# Altium PCB higgs.PcbDoc (part 6 of 25) (continued)
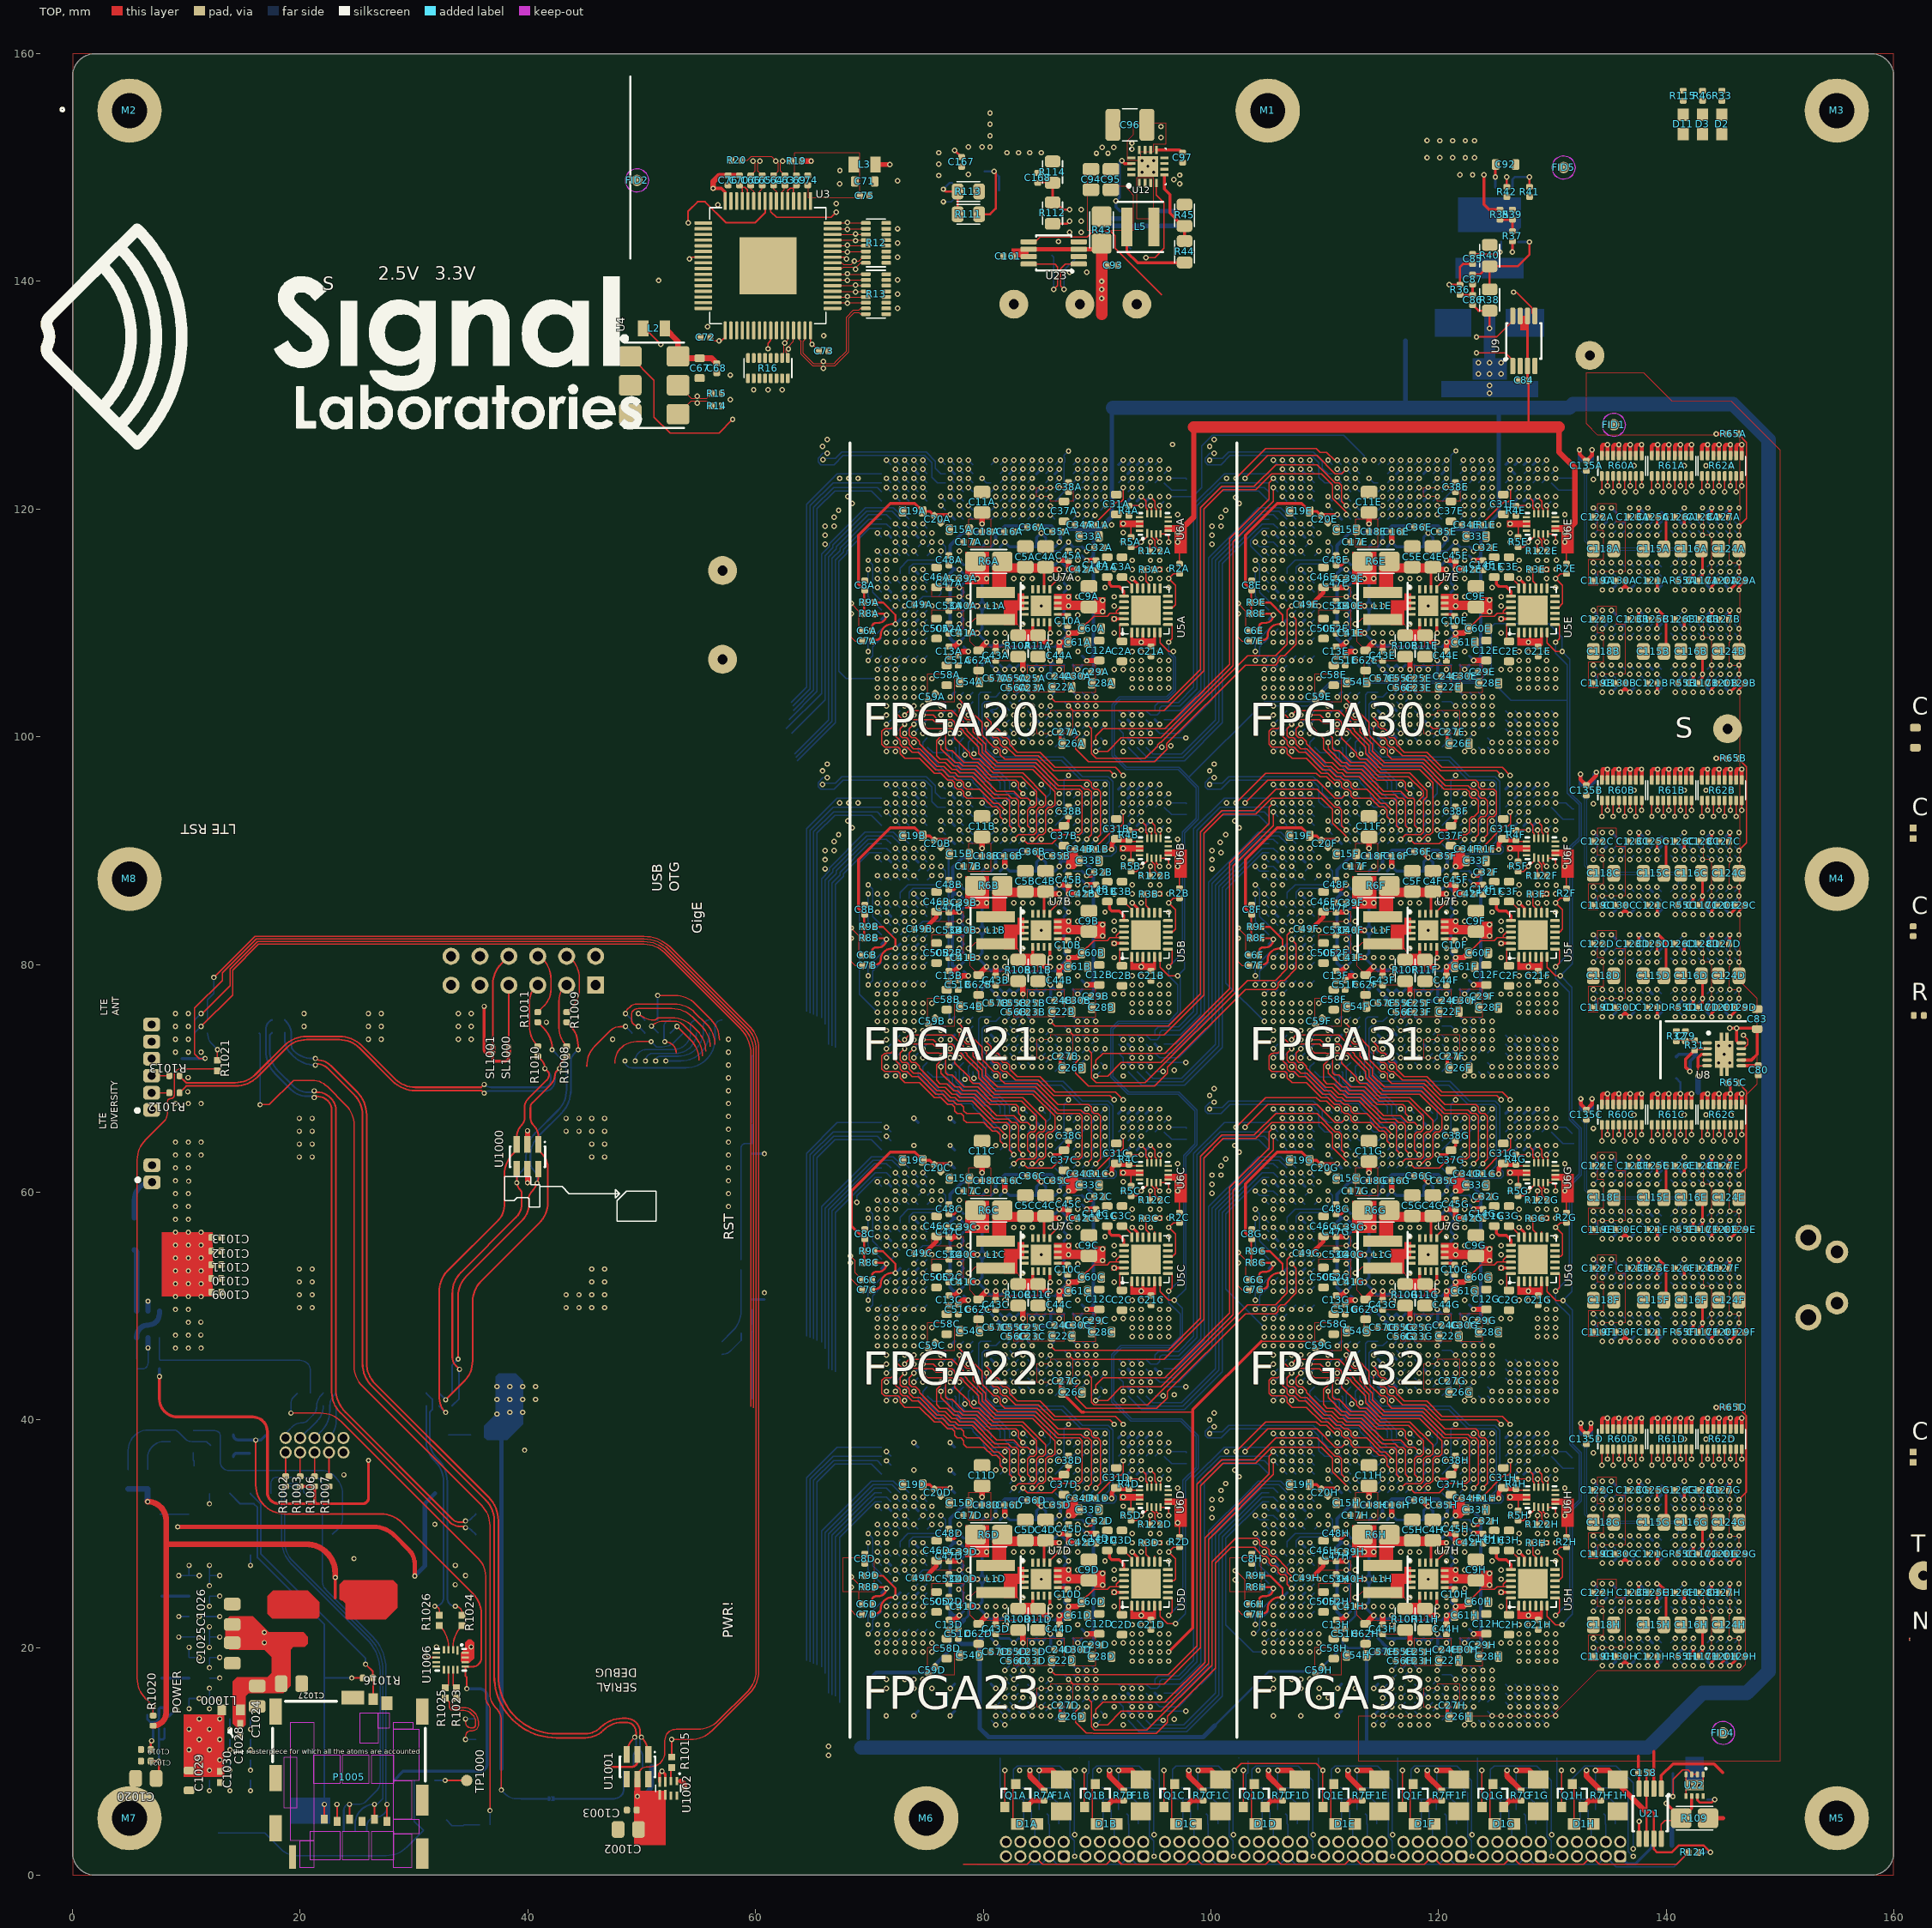
[diagram p0: TOP view]
## Part data (continued)
R109: library part CSR1206-0R001F1, "Current Sense Resistor 10mOhm +/-1% SMD 1206", Manufacturer=Riedon, Package=1206, Manufacturer P/N=CSR1206-0R01F1
R110: "Current Sense Resistor 1mOhm +/-1% SMD 1206", Manufacturer=Riedon, Package=1206, Manufacturer P/N=CSR1206-0R001F1
R111 R112: library part RES, "Thin Film Resistor 34k ±0.1% 0.125W 100V 0805", Manufacturer=Panasonic, Package=0805, Power=0.125, Tolerance=±0.1%, Voltage=100, Manufacturer P/N=ERA-6AEB3402V, Tcr=±25, Tr=-55:155
R113 R114: library part RES, "Thin Film Resistor 16k ±0.1% 0.125W 100V 0805", Manufacturer=Panasonic, Package=0805, Power=0.125, Tolerance=±0.1%, Voltage=100, Manufacturer P/N=ERA-6AEB163V, Tcr=±25, Tr=-55:155
R123A R123B R123C R123D R123E R123F R123G R123H R124A R124B R124C R124D R124E R124F R124G R124H: library part RES, "Thick Film Resistor 1M ±1% 0.1W 75V 0402", Manufacturer=Panasonic, Package=0402, Power=0.1, Tolerance=±1%, Voltage=75, Manufacturer P/N=ERJ-2RKF1004X, Tcr=±100, Tr=-55:155
R1000 R1001 R1016 R1022 R1028: library part RES, "Thick Film Resistor 47k ±1% 0.1W 75V 0402", Manufacturer=Panasonic, Package=0402, Power=0.1, Tolerance=±1%, Voltage=75, Manufacturer P/N=ERJ-2RKF4702X, Tcr=±100, Tr=-55:155
  R1016: Do Not Place=DNP
R1002 R1003 R1006 R1007: library part RES, "Thick Film Resistor 1k ±1% 0.1W 0402", Manufacturer=Panasonic, Package=0402, Power=0.1, Tolerance=±1%, Voltage=75, Manufacturer P/N=ERJ-2RKF1001X, Tcr=±100, Tr=-55:155
R1004 R1005 R1015 R1021 R1023 R1024 R1025 R1026: library part "RES 0402", "Thick Film Resistor 20 ±1% 0402", Manufacturer=Panasonic, Manufacturer P/N=RC0402FR-0720L, Package=0402, Tolerance=±1%, Tr=-55:155
  R1021: Do Not Place=DNP
R1017 R1018: library part RES, "Thick Film Resistor 10k ±1% 0.1W 0402", Manufacturer=Panasonic, Package=0402, Power=0.1, Tolerance=±1%, Voltage=50, Manufacturer P/N=ERJ-2RKF1002X, Tcr=±100, Tr=-55:155
R1027: library part RES, "Thick Film Resistor 10k ±1% 0.1W 0402", Manufacturer=Panasonic, Package=0402, Power=0.1, Tolerance=±1%, Voltage=75, Manufacturer P/N=ERJ-2RKF1002X, Tcr=±100, Tr=-55:155
R?: library part RES, "Thick Film Resistor 14.3k ±1% 0.1W 75V 0402", Manufacturer=Panasonic, Package=0402, Power=0.1, Tolerance=±1%, Voltage=75, Manufacturer P/N=ERJ-2RKF1432X, Tcr=±100, Tr=-55:155
S1: "Tactile Switch; Normally Open", Manufacturer=Panasonic, Manufacturer P/N=EVQ-PF006K
S1000 S1001 S1002: "Switch Tactile N.O. SPST Round Button Gull Wing 0.05A 32VDC 1VA 200000Cycles 2N SMD Automotive T/R", Manufacturer="C&K Components", Package=None, Availability=Good, Manufacturer P/N=KMR421GULCLFS, Price="0.29 USD"
  S1000 S1001: Do Not Place=DNP
SL1000 SL1001: library part RES, "Solder Link Unbridged"
SL1002: library part RES, "Solder Link Bridged"
T1 T2 T3 T4 T5 T6 T7 T8 T9 T10: "RF Transformer 10-6000KHz", Manufacturer=Mini-Circuits, Manufacturer P/N=TC1-1-13M
TP10 TP11 TP12 TP14 TP15 TP16 TP17 TP18 TP19: library part TEST_POINT, "Thruhole Miniature Test Point", Manufacturer="Keystone Electronics Corp", Manufacturer P/N=5000
  TP10 TP11 TP12 TP14 TP15 TP16: Do Not Place=DNP
TP1000: "Test Point SMD"
U1A U1B U1C U1D U1E U1F U1G U1H: "ECP5 FPGA, 85k LUT, 756-caBGA", Manufacturer="Lattice Semiconductor", Manufacturer P/N=LFE5U_-85F-_BG756_
U2A U2B: "2.4 GHz, 33dB Power Amplifier"
U3: "2:20 LVPECL Clock Distribution Driver", Manufacturer=Microchip, Manufacturer P/N=SY89467UHY
U4: library part "EG-2121CA 100.0000M-PHPAB", "Oscillator 100MHz LPECL 3.3V 25ppm SMD", Manufacturer=IDT, Manufacturer P/N=XUP736125.000JU6I
U5A U5B U5C U5D U5E U5F U5G U5H: "Digital Power-Supply Controller/Monitor", Manufacturer="Maxim Integrated", Manufacturer P/N=MAX8688AHETG+
U6A U6B U6C U6D U6E U6F U6G U6H U1006: "4-Bit Dual-Supply Bus Transceiver", Manufacturer="Texas Instruments", Manufacturer P/N=SN74AVC4T774RSVR
U7A U7B U7C U7D U7E U7F U7G U7H U12 U24: "3-17V 3A Step-Down Converter VQFN", Manufacturer="Texas Instruments", Manufacturer P/N=TPS62130RGT
U8: library part TPS51200, "DDR Termination Regulator, 3A Sink and Source", Manufacturer="Texas Instruments", Manufacturer P/N=TPS51200DRC
U9 U23: library part INA283AIDGK, "Bidirectional Current Shunt Monitor", Manufacturer="Texas Instruments", Manufacturer P/N=INA284AIDGK
U10: library part TPS53319DQPR, "Synchronous Buck Converter 20A", Manufacturer="Texas Instruments", Manufacturer P/N=TPS53353DQP
U11 U21: "Bidirectional Current Shunt Monitor", Manufacturer="Texas Instruments", Manufacturer P/N=INA283AIDGK
U13A U13B: "5 GHz, 26dBm Power Amplifier"
U14A U14B U14C U14D U14E U14F U14G U14H: library part MT41K256M16HA, "DDR3L SDRAM 4Gb (32Megx16bitx8banks)", Manufacturer="Micron Technology", Manufacturer P/N=MT41K256M16TW-107:P
U15: library part TPS3808, "Low Quiescent Current, Programmable-Delay  Supervisory Circuit", Manufacturer="Texas Instruments", Manufacturer P/N=TPS3808G01DBVR
U16A U16B U1002 U1004: "High-Side Load Switch", Manufacturer=Silego, Package="WFDFN-8 Silego", Manufacturer P/N=SLG59M611V
U17A U17B: "RF Amp Chip Single GP 2.4GHz 6V 16-Pin QFN EP T/R", Manufacturer="NXP Semiconductors", Package="QFN-16 NXP Semiconductors", Manufacturer P/N=MMG3006NT1
U18: library part AD9361, "RF Agile Transceiver"
U19 U20: "0.01 MHz-6.0 GHz RF SPDT Switch", Manufacturer=Skyworks, Manufacturer P/N=SKY13453-385LF
U22: "1A Step-Down Converter, 5V", Manufacturer="Texas Instruments", Manufacturer P/N=TPS62163DSG
U27A U27B U27C U27D U27E U27F U27G U27H: "Dual Schmitt-Trigger Buffer", Manufacturer="Texas Instruments", Manufacturer P/N=SN74LVC2G17DCK
U1000 U1001: "4-Lane TVS Diode Array", Manufacturer="On Semiconductor", Manufacturer P/N=NUP4301MR6
U1003: library part ARTIK_LGA_PAD_10, "ARTIK 710 System on Module", Manufacturer=Samsung, Manufacturer P/N="Artik 710"
U1005: Manufacturer=Telit, Manufacturer P/N=LE910NAG703T701

## Via types
v1: diameter 0.483, hole 0.254, TOP to BOT, tented both sides, 5146 vias
v2: diameter 0.457, hole 0.254, TOP to BOT, tented both sides, 278 vias
v3: diameter 0.5, hole 0.25, TOP to BOT, 50 vias
v4: diameter 0.483/0/0/0/0.483/0/0/0.483 (per signal layer), hole 0.254, TOP to BOT, tented both sides, 7 vias
v5: diameter 0.483, hole 0.254, TOP to BOT, tented bottom, 5 vias
v6: diameter 0.483, hole 0.254, TOP to BOT, 1 vias

## Nets (pads, with @x,y where several pads share a name; then routed paths per layer and width w, separated by ;. In a path a pad name is that pad's centre, name@x,y a point inside that pad or via, vN(x,y) a via of type N, cw(c..) or ccw(c..) an arc to the next point about the centre after c; other vN are vias at no path point)
5G_2G_SW: U19.5 U20.5
ANT_DIV: P1007.1 U1005.F1 | length 2.4
  BOT w0.254: P1007.1@7.829,24.519 U1005.F1@10.229,24.519
ANTENNA: P1008.1 U1005.K1 | length 2.4
  BOT w0.254: P1008.1@7.829,17.319 U1005.K1@10.229,17.319
BT_PCM_CLK: U1003.PAL43
BT_PCM_DIN: U1003.PAK43
BT_PCM_DOUT: U1003.PAJ42
BT_PCM_LRCLK: U1003.PAJ43
CFG.CFG_0A: U1A.AM4
CFG.CFG_0B: U1B.AM4
CFG.CFG_0C: U1C.AM4
CFG.CFG_0D: U1D.AM4
CFG.CFG_0E: U1E.AM4
CFG.CFG_0F: U1F.AM4
CFG.CFG_0G: U1G.AM4
CFG.CFG_0H: U1H.AM4
CFG.CFG_1A: U1A.AL4
CFG.CFG_1B: U1B.AL4
CFG.CFG_1C: U1C.AL4
CFG.CFG_1D: U1D.AL4
CFG.CFG_1E: U1E.AL4
CFG.CFG_1F: U1F.AL4
CFG.CFG_1G: U1G.AL4
CFG.CFG_1H: U1H.AL4
CFG.CFG_2A: U1A.AK4
CFG.CFG_2B: U1B.AK4
CFG.CFG_2C: U1C.AK4
CFG.CFG_2D: U1D.AK4
CFG.CFG_2E: U1E.AK4
CFG.CFG_2F: U1F.AK4
CFG.CFG_2G: U1G.AK4
CFG.CFG_2H: U1H.AK4
CFG.D0/MOSI/IO0A: U1A.AK2 | length 0.6
  BOT w0.102: U1A.AK2@94.3,123.1 v1(94.7,123.5)
CFG.D0/MOSI/IO0B: U1B.AK2 | length 0.6
  BOT w0.102: U1B.AK2@94.3,94.6 v1(94.7,95)
CFG.D0/MOSI/IO0C: U1C.AK2 | length 0.6
  BOT w0.102: U1C.AK2@94.3,66.1 v1(94.7,66.5)
CFG.D0/MOSI/IO0D: U1D.AK2 | length 0.6
  BOT w0.102: U1D.AK2@94.3,37.6 v1(94.7,38)
CFG.D0/MOSI/IO0E: U1E.AK2 | length 0.6
  BOT w0.102: U1E.AK2@128.3,123.1 v1(128.7,123.5)
CFG.D0/MOSI/IO0F: U1F.AK2 | length 0.6
  BOT w0.102: U1F.AK2@128.3,94.6 v1(128.7,95)
CFG.D0/MOSI/IO0G: U1G.AK2 | length 0.6
  BOT w0.102: U1G.AK2@128.3,66.1 v1(128.7,66.5)
CFG.D0/MOSI/IO0H: U1H.AK2 | length 0.6
  BOT w0.102: U1H.AK2@128.3,37.6 v1(128.7,38)
CFG.D1/MISO/IO1A: U1A.AJ2 | length 0.6
  BOT w0.102: U1A.AJ2@93.5,123.1 v1(93.9,123.5)
CFG.D1/MISO/IO1B: U1B.AJ2 | length 0.6
  BOT w0.102: U1B.AJ2@93.5,94.6 v1(93.9,95)
CFG.D1/MISO/IO1C: U1C.AJ2 | length 0.6
  BOT w0.102: U1C.AJ2@93.5,66.1 v1(93.9,66.5)
CFG.D1/MISO/IO1D: U1D.AJ2 | length 0.6
  BOT w0.102: U1D.AJ2@93.5,37.6 v1(93.9,38)
CFG.D1/MISO/IO1E: U1E.AJ2 | length 0.6
  BOT w0.102: U1E.AJ2@127.5,123.1 v1(127.9,123.5)
CFG.D1/MISO/IO1F: U1F.AJ2 | length 0.6
  BOT w0.102: U1F.AJ2@127.5,94.6 v1(127.9,95)
CFG.D1/MISO/IO1G: U1G.AJ2 | length 0.6
  BOT w0.102: U1G.AJ2@127.5,66.1 v1(127.9,66.5)
CFG.D1/MISO/IO1H: U1H.AJ2 | length 0.6
  BOT w0.102: U1H.AJ2@127.5,37.6 v1(127.9,38)
CFG.DIN/CSSA_N: U1A.AJ3 | length 28.4
  S6(H) w0.102: v1(93.9,122.7) 93.5,122.3 93.5,121.736 93.735,121.501 95.7,121.501 96.5,122.301 97.176,122.301 97.575,122.7 97.575,125.633 100.442,128.5 112.892,128.5 114.7,130.308
  BOT w0.102: U1A.AJ3@93.5,122.3 v1(93.9,122.7)
CFG.DIN/CSSB_N: U1B.AJ3 | length 41.5
  S4(VDDR) w0.102: 93.391,127.9 93.391,127.243 97.691,122.943 97.691,115.504 98.225,114.969 98.225,96.664 96.96,95.399 94.535,95.399 94.301,95.165 94.301,94.601 v1(93.9,94.2) ; 93.394,127.9 93.394,129.933
  BOT w0.102: U1B.AJ3@93.5,93.8 v1(93.9,94.2)
CFG.DIN/CSSC_N: U1C.AJ3 | length 70.4
  S4(VDDR) w0.102: v1(93.9,65.7) 94.301,66.101 94.301,66.665 94.535,66.899 94.864,66.899 95.101,67.137 95.101,67.465 95.335,67.699 96.469,67.699 98.58,69.811 98.58,93.388 100.89,95.698 100.89,97.844 100.858,97.876 100.858,113.953 98.834,115.977 98.834,126.761 97.45,128.144 97.45,130.316
  BOT w0.102: U1C.AJ3@93.5,65.3 v1(93.9,65.7)
CFG.DIN/CSSD_N: U1D.AJ3 | length 101.1
  S4(VDDR) w0.102: v1(93.9,37.2) 94.301,37.601 94.301,38.165 94.536,38.401 95.665,38.401 95.764,38.5 97.225,38.5 101.825,43.1 101.825,63.15 100.975,64 100.975,89.333 101.306,89.664 101.306,90.83 100.901,91.235 100.901,94.265 102.51,95.874 102.51,109.857 101.81,110.556 101.81,119.954 100.944,120.82 100.944,129.456 99.901,130.499
  BOT w0.102: U1D.AJ3@93.5,36.8 v1(93.9,37.2)
CFG.DIN/CSSE_N: U1E.AJ3 | length 20
  S3(V12/V2V5) w0.102: 111.955,130.245 113.475,128.725 119.95,128.725 123.775,124.9 ; 123.764,124.889 124.182,124.471 124.182,124.154 124.435,123.901 124.864,123.901 125.099,123.665 125.099,123.337 125.335,123.101 125.664,123.101 125.682,123.082 126.497,123.082 126.514,123.099 127.265,123.099 127.664,122.7 v1(127.9,122.7)
  BOT w0.102: U1E.AJ3@127.5,122.3 v1(127.9,122.7)
CFG.DIN/CSSF_N: U1F.AJ3 | length 55.5
  S4(VDDR) w0.102: 117.654,136.458 124.741,136.458 129.225,131.974 129.225,127.397 129.291,127.331 129.291,125.073 129.901,124.464 129.901,119.133 130.544,118.49 131.344,118.49 131.69,118.144 131.69,116.11 131.676,116.096 131.676,98.276 129.76,96.36 128.695,96.36 128.301,95.965 128.301,94.601 v1(127.9,94.2)
  BOT w0.102: U1F.AJ3@127.5,93.8 v1(127.9,94.2)
CFG.DIN/CSSG_N: U1G.AJ3 | length 94.3
  S4(VDDR) w0.102: 118.12,144.22 129.43,144.22 130.178,143.472 130.178,127.792 130.244,127.726 130.244,125.468 131.461,124.25 131.461,120.781 132.071,120.171 132.071,119.11 132.642,118.539 132.642,115.715 132.629,115.702 132.629,97.795 132.052,97.218 132.052,69.813 130.148,67.91 130.129,67.91 130.139,67.9 129.536,67.9 129.101,67.465 129.101,67.137 128.864,66.899 128.535,66.899 128.301,66.665 128.301,66.101 v1(127.9,65.7)
  BOT w0.102: U1G.AJ3@127.5,65.3 v1(127.9,65.7)
CFG.DIN/CSSH_N: U1H.AJ3 | length 131.8
  S4(VDDR) w0.102: 117.499,149.499 118.698,148.3 126.785,148.3 131.15,143.935 131.15,128.166 133.925,125.391 133.925,123.65 133.2,122.925 133.2,119.935 133.71,119.425 134.308,119.425 134.834,118.899 135.365,118.899 135.599,118.666 135.599,117.535 134.8,116.736 134.8,97.764 135.249,97.315 135.249,94.514 133.951,93.215 133.951,92.613 134.8,91.764 134.8,74.3 134,73.5 ; v1(127.9,37.2) 128.301,37.601 128.301,38.165 128.536,38.4 130.65,38.4 132.101,39.851 132.101,39.865 132.335,40.099 132.349,40.099 132.75,40.5 132.75,65.625 133.975,66.85 133.975,73.475
  BOT w0.102: U1H.AJ3@127.5,36.8 v1(127.9,37.2)
CFG.DONEA: U1A.AJ4 | length 25.6
  S6(H) w0.102: v1(93.9,121.9) 94.8,121.9 95.101,122.201 95.101,122.865 95.335,123.099 96.749,123.099 97.175,123.525 97.175,125.799 100.276,128.9 112.726,128.9 113.226,129.399 113.226,130.261
  BOT w0.102: U1A.AJ4@93.5,121.5 v1(93.9,121.9)
CFG.DONEB: U1B.AJ4 | length 42
  S4(VDDR) w0.102: 93.585,129.854 93.585,127.319 97.881,123.022 97.881,115.583 98.416,115.048 98.416,96.585 96.699,94.869 96.699,94.835 96.465,94.601 96.431,94.601 96.431,94.6 95.336,94.6 95.101,94.365 95.101,93.901 94.6,93.4 v1(93.9,93.4)
  BOT w0.102: U1B.AJ4@93.5,93 v1(93.9,93.4)
CFG.DONEC: U1C.AJ4 | length 71.1
  S4(VDDR) w0.102: v1(93.9,64.9) 94.5,64.9 95.101,65.501 95.101,66.665 95.336,66.9 95.939,66.9 98.771,69.732 98.771,93.309 101.08,95.619 101.08,97.923 101.048,97.955 101.048,114.032 99.024,116.056 99.024,126.88 97.66,128.245 97.66,130.376
  BOT w0.102: U1C.AJ4@93.5,64.5 v1(93.9,64.9)
CFG.DONED: U1D.AJ4 | length 102.9
  S4(VDDR) w0.102: v1(93.9,36.4) 94.6,36.4 95.101,36.901 95.101,37.365 95.335,37.599 96.465,37.599 96.674,37.391 99.766,37.391 102.8,40.425 102.8,62.575 101.7,63.675 101.7,64.265 101.8,64.365 101.8,92.335 101.7,92.435 101.7,92.765 101.799,92.864 101.799,94.364 102.7,95.264 102.7,109.936 102.001,110.635 102.001,120.634 101.7,120.935 101.7,121.265 101.8,121.365 101.8,123.225 101.135,123.891 101.135,124.229 101.15,124.244 101.15,130.086
  BOT w0.102: U1D.AJ4@93.5,36 v1(93.9,36.4)
CFG.DONEE: U1E.AJ4 | length 21.3
  S3(V12/V2V5) w0.102: 111.101,130.224 112.825,128.5 117.575,128.5 121.368,124.707 121.368,124.557 122.019,123.905 123.259,123.905 123.499,123.665 123.499,123.336 123.736,123.099 124.065,123.099 124.301,122.864 124.301,122.535 124.536,122.299 124.865,122.299 124.883,122.282 126.908,122.282 126.925,122.299 127.501,122.299 v1(127.9,121.9)
  BOT w0.102: U1E.AJ4@127.5,121.5 v1(127.9,121.9)
CFG.DONEF: U1F.AJ4 | length 56.4
  S4(VDDR) w0.102: 117.575,136.649 124.82,136.649 129.416,132.053 129.416,127.476 129.482,127.41 129.482,125.152 130.699,123.935 130.699,119.201 130.9,119 131.103,119 131.88,118.223 131.88,116.031 131.867,116.017 131.867,98.167 130.71,97.01 130.71,96.185 129.899,95.374 129.899,94.835 129.665,94.601 129.336,94.601 129.101,94.365 129.101,93.801 128.7,93.4 v1(127.9,93.4)
  BOT w0.102: U1F.AJ4@127.5,93 v1(127.9,93.4)
CFG.DONEG: U1G.AJ4 | length 95.9
  S4(VDDR) w0.102: 118.29,144.41 129.509,144.41 130.368,143.551 130.368,127.871 130.434,127.804 130.434,125.546 131.652,124.329 131.652,120.86 132.261,120.25 132.261,119.189 132.833,118.618 132.833,115.636 132.819,115.623 132.819,96.92 132.874,96.865 132.874,96.535 132.242,95.903 132.242,69.734 130.939,68.431 130.939,66.574 130.464,66.099 129.335,66.099 129.101,65.865 129.101,65.303 128.7,64.902 127.902,64.902 v1(127.9,64.9)
  BOT w0.102: U1G.AJ4@127.5,64.5 v1(127.9,64.9)
CFG.DONEH: U1H.AJ4 | length 135.8
  S4(VDDR) w0.102: 117.931,150.299 119.731,148.5 126.868,148.5 131.35,144.018 131.35,128.236 134.125,125.461 134.125,122.419 133.585,121.879 133.585,120.791 134,120.375 134,119.935 134.234,119.701 134.724,119.701 135.335,119.09 135.974,119.09 136.399,118.666 136.399,117.535 135.599,116.735 135.599,107.674 ; v1(127.9,36.4) 128.8,36.4 129.101,36.701 129.101,37.365 129.335,37.599 131.724,37.599 132.975,38.85 132.975,65.581 134.225,66.831 134.225,73.3 135.6,74.675 135.6,90.966 137.236,92.601 137.515,92.601 138.45,93.536 138.45,94 137.549,94.901 137.035,94.901 135.451,96.485 135.451,97.489 135.6,97.639 135.6,106.49 135.625,106.514 135.625,107.675
  BOT w0.102: U1H.AJ4@127.5,36 v1(127.9,36.4)
CFG.DOUTA: U1A.AK3 | length 0.6
  BOT w0.102: U1A.AK3@94.3,122.3 v1(94.7,122.7)
CFG.DOUTB: U1B.AK3 | length 0.6
  BOT w0.102: U1B.AK3@94.3,93.8 v1(94.7,94.2)
CFG.DOUTC: U1C.AK3 | length 0.6
  BOT w0.102: U1C.AK3@94.3,65.3 v1(94.7,65.7)
CFG.DOUTD: U1D.AK3 | length 0.6
  BOT w0.102: U1D.AK3@94.3,36.8 v1(94.7,37.2)
CFG.DOUTE: U1E.AK3 | length 0.6
  BOT w0.102: U1E.AK3@128.3,122.3 v1(128.7,122.7)
CFG.DOUTF: U1F.AK3 | length 0.6
  S4(VDDR) w0.102: v1(128.7,94.2) v1@128.725,94.2
  BOT w0.102: U1F.AK3@128.3,93.8 v1(128.7,94.2)
CFG.DOUTG: U1G.AK3 | length 0.6
  BOT w0.102: U1G.AK3@128.3,65.3 v1(128.7,65.7)
CFG.DOUTH: U1H.AK3 | length 0.6
  BOT w0.102: U1H.AK3@128.3,36.8 v1(128.7,37.2)
CFG.INITNA: R1A.1 U1A.AG4 | length 37.4
  TOP w0.102: R1A.1@89.755,118.655 91.75,120.65 92.125,120.65 92.323,120.848 v1@92.323,121.877
  S4(VDDR) w0.102: v1(92.3,121.9) v1(92.3,121.9)
  S6(H) w0.102: v1(92.3,121.9) 92.3,120.8 93.199,119.901 95.5,119.901 96.465,119.901 96.699,120.135 96.699,120.966 99.501,123.768 99.501,125.865 100.135,126.499 112.927,126.499 117.005,130.577
  BOT w0.102: U1A.AG4@91.9,121.5 v1(92.3,121.9)
CFG.INITNB: R1B.1 U1B.AG4 | length 51.4
  TOP w0.102: R1B.1@89.755,90.155 91.75,92.15 92.125,92.15 92.323,92.348 v1@92.323,93.377
  S4(VDDR) w0.102: v1(92.3,93.4) 92.7,93 96.5,93 98.797,95.297 98.797,115.206 98.262,115.741 98.262,123.18 95.099,126.343 95.099,132.465
  BOT w0.102: U1B.AG4@91.9,93 v1(92.3,93.4)
CFG.INITNC: R1C.1 U1C.AG4 | length 76.6
  TOP w0.102: R1C.1@89.755,61.655 91.75,63.65 92.125,63.65 92.323,63.848 v1@92.323,64.877
  S4(VDDR) w0.102: v1(92.3,64.9) 92.701,65.301 92.701,67.701 93.241,68.241 96.4,68.241 98.199,70.04 98.199,94.43 98.987,95.218 98.987,115.285 98.453,115.82 98.453,125.117 97.9,125.669 97.9,127.156 97.06,127.996 97.06,129.376 95.901,130.535
  BOT w0.102: U1C.AG4@91.9,64.5 v1(92.3,64.9)
CFG.INITND: R1D.1 U1D.AG4 | length 107.8
  TOP w0.102: R1D.1@89.755,33.155 91.75,35.15 92.125,35.15 92.323,35.348 v1@92.323,36.377
  S4(VDDR) w0.102: v1(92.3,36.4) 92.7,36.8 92.7,39.3 93.116,39.716 97.246,39.716 99.701,42.17 99.701,66.099 99.152,66.648 99.152,93.152 101.461,95.461 101.461,98.081 101.429,98.113 101.429,114.19 99.405,116.214 99.405,131.595
  BOT w0.102: U1D.AG4@91.9,36 v1(92.3,36.4)
CFG.INITNE: R1E.1 U1E.AG4 | length 20.3
  TOP w0.102: R1E.1@123.763,118.636 125.758,120.631 126.133,120.631 126.331,120.829 v1@126.331,121.858
  S4(VDDR) w0.102: 116.3,131.5 118.8,131.5 125.5,124.8 125.5,122.689 v1(126.308,121.881)
  BOT w0.102: U1E.AG4@125.9,121.5 126.281,121.881 v1(126.308,121.881)
CFG.INITNF: R1F.1 U1F.AG4 | length 54.3
  TOP w0.102: R1F.1@123.755,90.155 125.75,92.15 126.125,92.15 126.323,92.348 v1@126.323,93.377
  S4(VDDR) w0.102: 111.099,130.401 112.9,128.6 118.7,128.6 121.107,126.193 121.107,119.107 119.499,117.499 119.499,108.001 121.2,106.3 123.2,106.3 125.901,103.599 125.901,93.799 v1(126.3,93.4)
  BOT w0.102: U1F.AG4@125.9,93 v1(126.3,93.4)
CFG.INITNG: R1G.1 U1G.AG4 | length 91.9
  TOP w0.102: R1G.1@123.755,61.655 125.75,63.65 126.125,63.65 126.323,63.848 v1@126.323,64.877
  S4(VDDR) w0.102: 117.33,137.03 124.977,137.03 129.797,132.211 129.797,127.634 129.863,127.568 129.863,125.31 131.08,124.093 131.08,120.623 131.69,120.014 131.69,118.952 132.261,118.381 132.261,115.873 132.248,115.86 132.248,97.953 131.671,97.376 131.671,69.971 130.544,68.844 127.844,68.844 126.7,67.7 126.7,65.3 v1(126.3,64.9)
  BOT w0.102: U1G.AG4@125.9,64.5 v1(126.3,64.9)
CFG.INITNH: R1H.1 U1H.AG4 | length 131.6
  TOP w0.102: R1H.1@123.755,33.155 125.75,35.15 126.125,35.15 126.323,35.348 v1@126.323,36.377
  S4(VDDR) w0.102: 120.201,147.899 123.21,144.891 129.567,144.891 130.749,143.709 130.749,128.029 132.819,125.958 132.819,119.777 133.552,119.044 133.62,119.044 133.998,118.666 133.998,117.535 133.214,116.75 133.214,115.479 133.2,115.465 133.2,97.078 133.255,97.023 133.255,96.377 132.899,96.021 132.899,66.319 132.369,65.788 132.369,40.713 131.056,39.4 127.136,39.4 126.7,38.964 126.7,36.8 v1(126.3,36.4)
  BOT w0.102: U1H.AG4@125.9,36 v1(126.3,36.4)
CFG.MCLKA: R125A.1 | length 24.2
  S6(H) w0.102: v1(96.3,122.7) 96.875,122.7 97.375,123.2 97.375,125.716 100.359,128.7 112.809,128.7 114.301,130.192
  BOT w0.102: v1(96.3,122.7) 97.8,122.7 R125A.1@97.9,122.6
CFG.MCLKB: R125B.1 | length 40
  S4(VDDR) w0.102: 93.781,129.6 93.781,127.392 98.072,123.101 98.072,115.662 98.606,115.127 98.606,96.506 96.89,94.79 96.89,94.756 96.544,94.41 96.51,94.41 v1(96.3,94.2)
  BOT w0.102: v1(96.3,94.2) 97.8,94.2 R125B.1@97.9,94.1
CFG.MCLKC: R125C.1 | length 69.5
  S4(VDDR) w0.102: v1(96.3,65.7) 98.961,68.361 98.961,93.231 101.271,95.54 101.271,98.002 101.239,98.034 101.239,114.111 99.215,116.135 99.215,126.959 97.85,128.324 97.85,130.086
  BOT w0.102: v1(96.3,65.7) 97.8,65.7 R125C.1@97.9,65.6
CFG.MCLKD: R125D.1 | length 100.8
  S4(VDDR) w0.102: v1(96.3,37.2) 100.175,37.2 102.991,40.016 102.991,65.145 102.601,65.535 102.601,65.865 102.975,66.239 102.975,93.661 102.601,94.035 102.601,94.802 102.899,95.1 102.899,122.236 102.601,122.535 102.601,122.874 101.382,124.093 101.382,130.132
  BOT w0.102: v1(96.3,37.2) 97.8,37.2 R125D.1@97.9,37.1
CFG.MCLKE: R125E.1 | length 19.8
  S3(V12/V2V5) w0.102: 115.5,130.7 119.225,130.7 125.784,124.141 125.809,124.141 126.049,123.901 126.135,123.901 ; 126.224,123.901 126.135,123.901 ; v1(130.3,122.7) 129.901,123.099 127.535,123.099 126.733,123.901 126.135,123.901
  BOT w0.102: v1(130.3,122.7) 131.8,122.7 R125E.1@131.9,122.6
CFG.MCLKF: R125F.1 | length 55.6
  S4(VDDR) w0.102: 117.464,136.839 124.899,136.839 129.606,132.132 129.606,127.555 129.672,127.489 129.672,125.231 130.89,124.014 130.89,120.544 131.499,119.935 131.499,118.874 132.071,118.302 132.071,115.952 132.057,115.939 132.057,98.032 130.9,96.875 130.9,94.8 v1(130.3,94.2)
  BOT w0.102: v1(130.3,94.2) 131.2,94.2 131.755,93.645 R125F.1@131.9,93.645
CFG.MCLKG: R125G.1 | length 94.7
  S4(VDDR) w0.102: 118.369,144.601 129.588,144.601 130.559,143.63 130.559,127.95 130.625,127.883 130.625,125.625 131.842,124.408 131.842,120.939 132.452,120.329 132.452,119.268 133.023,118.697 133.023,115.557 133.01,115.544 133.01,96.999 133.065,96.944 133.065,96.456 132.433,95.824 132.433,69.655 131.129,68.352 131.129,65.934 130.895,65.7 v1(130.3,65.7)
  BOT w0.102: v1(130.3,65.7) 131.2,65.7 R125G.1@131.755,65.145
CFG.MCLKH: R125H.1 | length 135.9
  S4(VDDR) w0.102: 117.401,151.099 119.8,148.7 126.986,148.7 131.575,144.111 131.575,128.28 134.35,125.505 134.35,122.375 133.775,121.8 133.775,121.125 134.401,120.5 134.565,120.5 134.798,120.266 134.798,119.937 135.034,119.701 136.163,119.701 137.199,118.666 137.199,117.535 136.4,116.736 136.4,97.036 136.685,96.751 136.699,96.751 138.775,94.675 138.775,93.589 138.351,93.165 138.351,92.214 138.799,91.766 138.799,91.435 137.763,90.399 137.434,90.399 137.201,90.166 137.201,89.837 136.963,89.599 136.634,89.599 136.401,89.366 136.401,74.801 134.425,72.825 134.425,65.625 133.951,65.151 133.951,63.999 134,63.95 134,39.15 132.05,37.2 v1(130.3,37.2)
  BOT w0.102: v1(130.3,37.2) 131.2,37.2 R125H.1@131.755,36.645
CFG.PROGA_N: U1A.AH4 | length 29.1
  S6(H) w0.102: v1(93.1,121.9) 93.1,121.664 93.501,121.264 93.501,120.935 93.735,120.701 95.665,120.701 95.899,120.935 95.899,121.264 96.136,121.5 96.875,121.5 97.775,122.4 97.775,125.55 100.525,128.3 112.975,128.3 114.875,130.2
  BOT w0.102: U1A.AH4@92.7,121.5 v1(93.1,121.9)
CFG.PROGB_N: U1B.AH4 | length 43.1
  S4(VDDR) w0.102: v1(93.1,93.4) 93.501,93.801 93.501,95.965 93.761,96.225 96.85,96.225 97.7,97.075 97.7,99.436 97.401,99.735 97.401,100.065 98.025,100.689 98.025,114.9 97.5,115.425 97.5,122.864 93.2,127.164 93.2,129.8
  BOT w0.102: U1B.AH4@92.7,93 v1(93.1,93.4)
CFG.PROGC_N: U1C.AH4 | length 71.6
  S4(VDDR) w0.102: v1(93.1,64.9) 93.5,65.3 93.5,67.55 94,68.05 96.55,68.05 98.39,69.89 98.39,93.467 100.699,95.777 100.699,97.765 100.667,97.797 100.667,113.874 98.643,115.898 98.643,126.682 97.25,128.075 97.25,129.475 ; 97.25,129.325 97.25,129.75
  BOT w0.102: U1C.AH4@92.7,64.5 v1(93.1,64.9)
CFG.PROGD_N: U1D.AH4 | length 101
  S4(VDDR) w0.102: v1(93.1,36.4) 93.501,36.801 93.501,38.965 94.061,39.525 97.325,39.525 100.501,42.701 100.501,61.665 100.501,67.537 100.706,67.742 100.706,89.466 100.508,89.664 100.508,90.489 100.433,90.564 100.433,90.895 100.699,91.161 100.699,94.333 102.319,95.953 102.319,109.778 101.62,110.477 101.62,117.216 100.501,118.335 100.501,118.665 100.501,120.536 100.75,120.785 100.75,128.575 99.71,129.615
  BOT w0.102: U1D.AH4@92.7,36 v1(93.1,36.4)
CFG.PROGE_N: U1E.AH4 | length 22.5
  S3(V12/V2V5) w0.102: 110.299,130.301 112.35,128.25 117.328,128.25 121.107,124.471 121.107,124.118 122.125,123.099 122.465,123.099 122.699,122.865 122.699,122.536 123.735,121.501 124.064,121.501 124.299,121.265 124.299,120.936 124.535,120.701 125.935,120.701 127.1,121.866 v1(127.1,121.9)
  BOT w0.102: U1E.AH4@126.7,121.5 v1(127.1,121.9)
CFG.PROGF_N: U1F.AH4 | length 56.2
  S4(VDDR) w0.102: 117.733,136.268 124.6,136.268 124.604,136.264 124.665,136.264 129.035,131.895 129.035,127.318 129.101,127.252 129.101,119.664 130.465,118.299 131.265,118.299 131.499,118.065 131.499,116.935 131.486,116.921 131.486,106.219 131.271,106.004 131.271,98.471 129.35,96.55 128.086,96.55 127.501,95.965 127.501,93.801 v1(127.1,93.4)
  BOT w0.102: U1F.AH4@126.7,93 v1(127.1,93.4)
CFG.PROGG_N: U1G.AH4 | length 95.4
  S4(VDDR) w0.102: 118.229,144.029 129.346,144.029 129.987,143.388 129.987,127.713 130.053,127.647 130.053,125.389 131.271,124.171 131.271,120.702 131.88,120.093 131.88,119.031 132.452,118.46 132.452,115.794 132.438,115.781 132.438,97.874 131.861,97.297 131.861,69.892 130.069,68.1 128.136,68.1 127.501,67.465 127.501,65.326 127.1,64.925 v1(127.1,64.9)
  BOT w0.102: U1G.AH4@126.7,64.5 v1(127.1,64.9)
CFG.PROGH_N: U1H.AH4 | length 130.7
  S4(VDDR) w0.102: 118.009,148.701 118.6,148.11 126.644,148.11 130.94,143.814 130.94,128.108 133.01,126.037 133.01,119.856 133.631,119.235 134.23,119.235 134.798,118.666 134.798,117.535 134,116.736 134,97.548 134.35,97.198 134.35,94.15 133.76,93.56 133.76,92.534 134,92.295 134,75.675 133.75,75.425 133.75,69.2 133.091,68.541 133.091,68.287 133.09,68.286 133.09,68.114 133.091,68.113 133.091,66.241 132.56,65.71 132.56,40.635 131.125,39.2 127.55,39.2 127.5,39.15 127.5,36.8 v1(127.1,36.4)
  BOT w0.102: U1H.AH4@126.7,36 v1(127.1,36.4)
CFG.TMP_AD0A: U5A.14
CFG.TMP_AD0B: U5B.14
CFG.TMP_AD0C: U5C.14 | length 0.5
  TOP w0.102: U5C.14@95.05,56.035 95.05,56.55
CFG.TMP_AD0D: U5D.14 | length 0.5
  TOP w0.1: U5D.14@95.05,27.535 95.05,28.05
CFG.TMP_AD0E: U5E.14
CFG.TMP_AD0F: U5F.14 | length 0.5
  TOP w0.1: U5F.14@129.05,84.535 129.05,85.05
CFG.TMP_AD0G: U5G.14 | length 0.5
  TOP w0.1: U5G.14@129.05,56.035 129.05,56.55
CFG.TMP_AD0H: U5H.14 | length 0.5
  TOP w0.1: U5H.14@129.05,27.535 129.05,28.05
CFG.TMP_AD1A: U5A.13
CFG.TMP_AD1B: U5B.13 | length 0.4
  TOP w0.1: U5B.13@95.5,84.585 95.5,84.972
CFG.TMP_AD1C: U5C.13 | length 0.4
  TOP w0.1: U5C.13@95.5,56.085 95.5,56.472
CFG.TMP_AD1D: U5D.13 | length 0.4
  TOP w0.1: U5D.13@95.5,27.585 95.5,27.972
CFG.TMP_AD1E: U5E.13 | length 0.4
  TOP w0.1: U5E.13@129.5,113.085 129.5,113.472
CFG.TMP_AD1F: U5F.13 | length 0.4
  TOP w0.1: U5F.13@129.5,84.585 129.5,84.972
CFG.TMP_AD1G: U5G.13
CFG.TMP_AD1H: U5H.13
CFG.VJTAGA: F1A.2 J5A.2
CFG.VJTAGB: F1B.2 J5B.2
CFG.VJTAGC: F1C.2 J5C.2
CFG.VJTAGD: F1D.2 J5D.2
CFG.VJTAGE: F1E.2 J5E.2
CFG.VJTAGF: F1F.2 J5F.2
CFG.VJTAGG: F1G.2 J5G.2
CFG.VJTAGH: F1H.2 J5H.2
CFG.VLEDA: D1A.1
CFG.VLEDB: D1B.1
CFG.VLEDC: D1C.1
CFG.VLEDD: D1D.1
CFG.VLEDE: D1E.1
CFG.VLEDF: D1F.1
CFG.VLEDG: D1G.1
CFG.VLEDH: D1H.1
CFG.WRITENA: U1A.AL3 | length 0.6
  BOT w0.102: U1A.AL3@95.1,122.3 v1(95.5,122.7)
CFG.WRITENB: U1B.AL3 | length 0.6
  BOT w0.102: U1B.AL3@95.1,93.8 v1(95.5,94.2)
CFG.WRITENC: U1C.AL3 | length 0.6
  BOT w0.102: U1C.AL3@95.1,65.3 v1(95.5,65.7)
CFG.WRITEND: U1D.AL3 | length 0.6
  BOT w0.102: U1D.AL3@95.1,36.8 v1(95.5,37.2)
CFG.WRITENE: U1E.AL3 | length 0.6
  BOT w0.102: U1E.AL3@129.1,122.3 v1(129.5,122.7)
CFG.WRITENF: U1F.AL3 | length 0.6
  BOT w0.102: U1F.AL3@129.1,93.8 v1(129.5,94.2)
CFG.WRITENG: U1G.AL3 | length 0.6
  BOT w0.102: U1G.AL3@129.1,65.3 v1(129.5,65.7)
CFG.WRITENH: U1H.AL3 | length 0.6
  BOT w0.102: U1H.AL3@129.1,36.8 v1(129.5,37.2)
CLK: U18.M12
CLK20.C_N: C7A.2 R12.6 U3.59 | length 42.8
  TOP w0.089: U3.59@66.77,142.626 68.027,142.626 v1(68.075,142.578) 68.124,142.626 R12.6@69.695,142.626 ; v1(68.4,110.8) 68.4,108.752 68.752,108.4 C7A.2@69.37,108.4
  S5(V) w0.089: v1(68.075,142.578) 67.877,142.776 65.99,142.776 65.493,142.279 65.493,134.86 65.62,134.733 65.62,134.233 65.39,134.003 65.39,131.28 64.693,130.582 64.693,117.766 64.697,117.762 64.697,117.737 68.8,113.634 68.8,111.2 v1(68.4,110.8)
CLK20.C_P: C6A.2 R12.5 U3.60 | length 41.6
  TOP w0.089: U3.60@66.77,143.126 68.027,143.126 v1(68.075,143.174) 68.124,143.126 R12.5@69.695,143.126 ; v1(68.4,111.7) 69.087,111.013 69.087,109.583 C6A.2@69.37,109.3
  S5(V) w0.089: v1(68.075,143.174) 67.88,142.979 65.906,142.979 65.29,142.363 65.29,134.776 65.417,134.649 65.417,134.317 65.187,134.087 65.187,131.364 64.49,130.667 64.49,117.682 64.494,117.677 64.494,117.653 68.4,113.747 v1(68.4,111.7)
CLK21.C_N: C7B.2 R12.4 U3.42 U3.61 | length 75
  TOP w0.089: U3.61@66.77,143.626 68.742,143.626 v1(68.79,143.578) 68.838,143.626 R12.4@69.695,143.626 ; v1(68.4,82.3) 68.4,80.252 68.752,79.9 C7B.2@69.37,79.9
  S5(V) w0.089: v1(68.4,82.3) 68.8,82.7 68.8,83.366 68.566,83.6 67.35,83.6 64.325,86.625 64.325,97.884 65.201,98.76 65.201,100.48 65.2,100.482 65.2,100.75 64.3,101.65 64.3,117.57 64.298,117.572 64.298,117.596 64.294,117.601 64.294,131.092 64.49,131.289 64.49,142.776 65.49,143.776 68.592,143.776 v1(68.79,143.578)
CLK21.C_P: C6B.2 R12.3 U3.43 U3.62 | length 73.6
  TOP w0.089: U3.62@66.77,144.126 68.742,144.126 v1(68.79,144.174) 68.838,144.126 R12.3@69.695,144.126 ; v1(68.4,83.2) 69.087,82.513 69.087,81.083 C6B.2@69.37,80.8
  S5(V) w0.089: v1(68.4,83.2) 67.425,83.2 64.122,86.503 64.122,97.968 64.998,98.844 64.998,100.396 64.997,100.398 64.997,100.666 64.097,101.566 64.097,117.486 64.095,117.488 64.095,117.512 64.091,117.517 64.091,131.177 64.287,131.373 64.287,142.86 65.406,143.979 68.595,143.979 v1(68.79,144.174)